# Altium PCB Main_PCB.PcbDoc (part 10 of 13)
Units mil, origin at the board's own origin, x right, y up, seen from the top; angles counter-clockwise.
Board outline 5200 x 6000 mil, 12 copper layers (Top (L1), Int1 (l2), Int2 (L3), Int3 (L4), Int4 (L5), Int5 (L6), Int6 (L7), Int7 (L8), Int8 (L9), Int9 (L10), Int10 (L11), Bot (L12)), stack 94.81 mil thick; 88 components, 424 nets, 1789 pads, 1684 vias.
Unrouted connection lines stored in the file: 914.
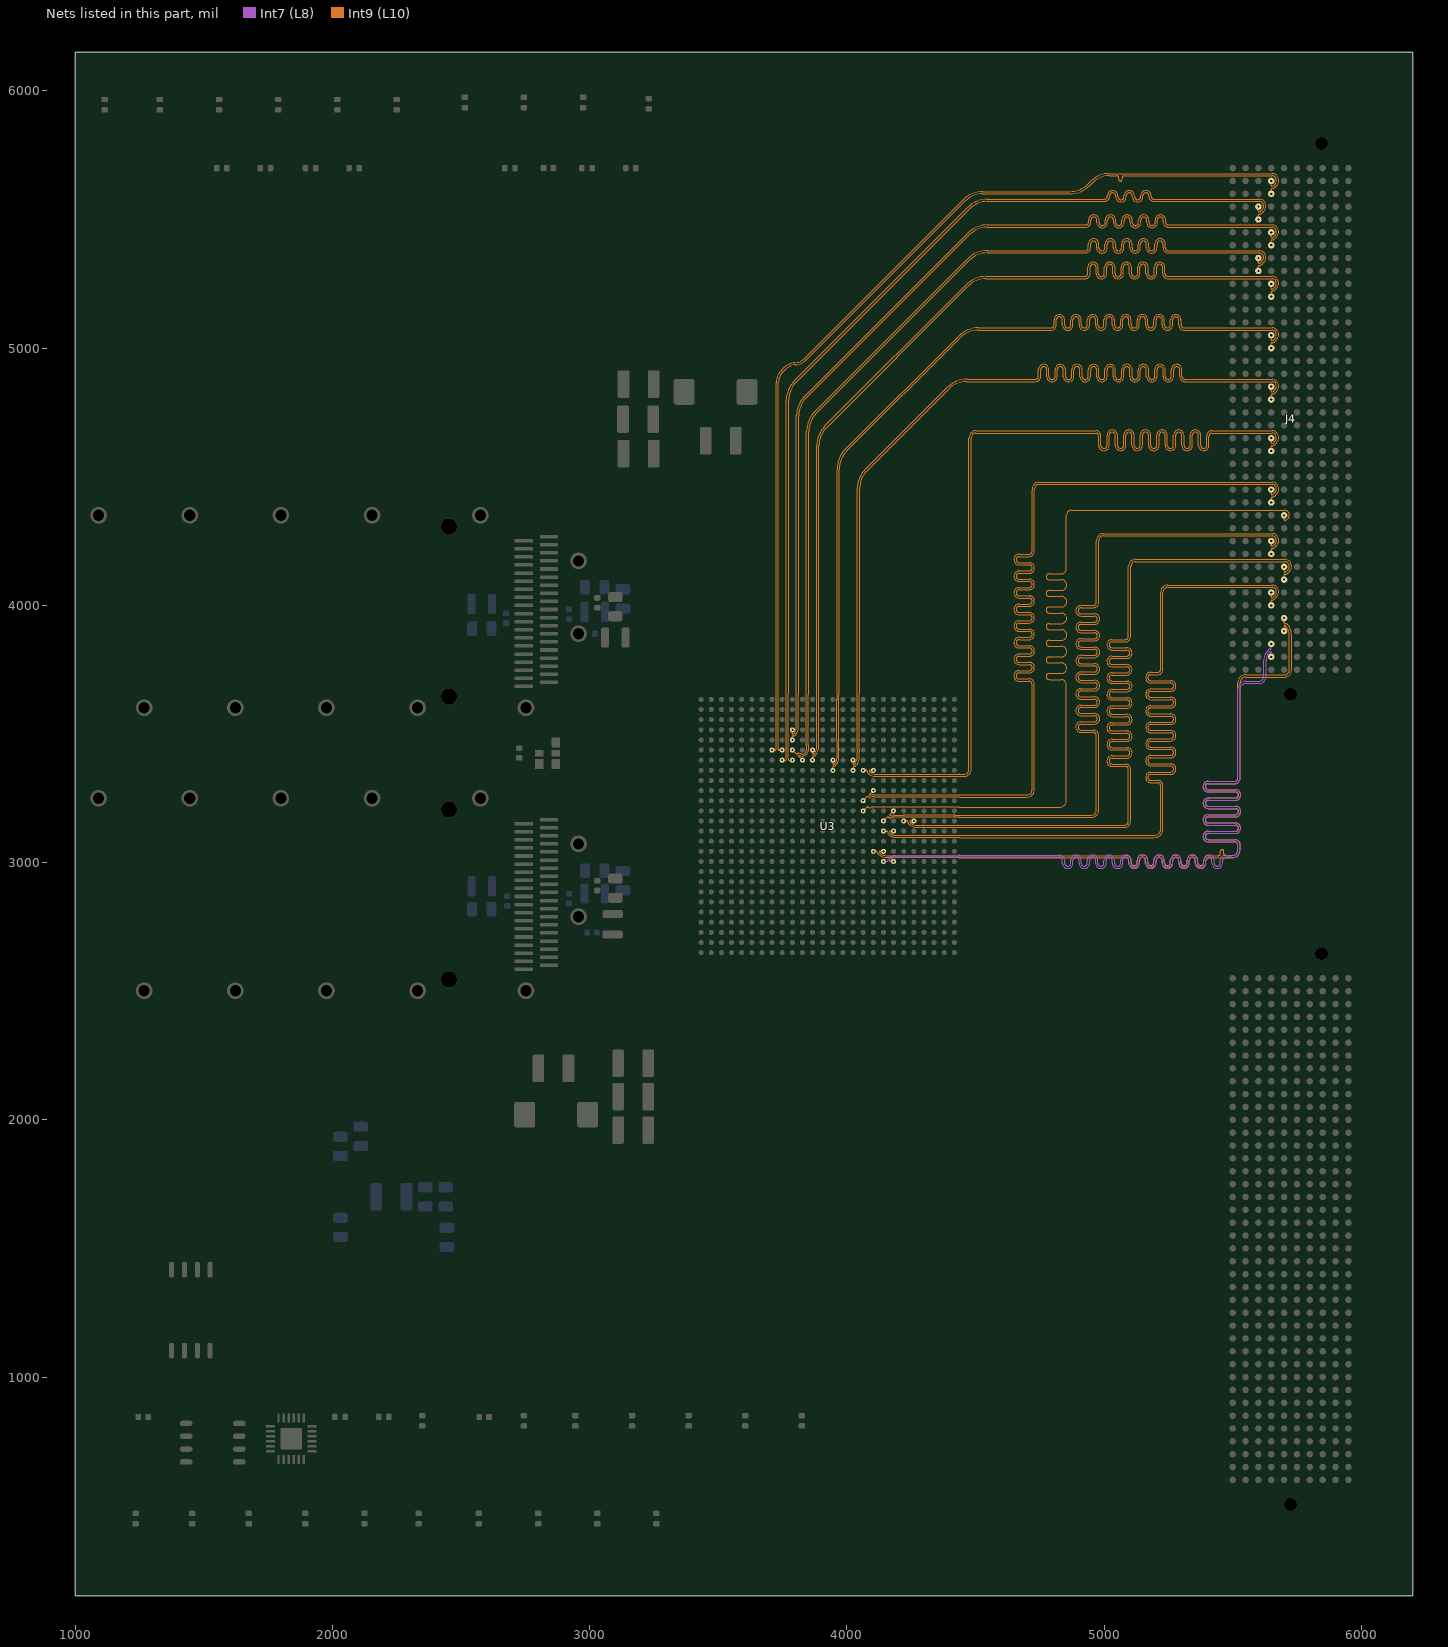
[diagram p20: the nets of this part, all layers, seen from the top]

## Via types
v1: diameter 13.78, hole 7.87, Top (L1) to Bot (L12), tented both sides, 1680 vias
v2: diameter 19.68, hole 7.87, Top (L1) to Bot (L12), tented both sides, 4 vias

## Nets (pads, with @x,y where several pads share a name; then routed paths per layer and width w, separated by ;. In a path a pad name is that pad's centre, name@x,y a point inside that pad or via, vN(x,y) a via of type N, cw(c..) or ccw(c..) an arc to the next point about the centre after c; other vN are vias at no path point) (continued)
HPCC_B_41_P: J4.F28 U3.M17 | length 3789.6
  Int9 (L10) w3.5: v1(4063.78,3201.18) 4078.34,3215.74 cw(c4080.81,3213.26) 4080.81,3216.76 cw(c4080.81,3213.26) 4083.29,3215.74 ; 4083.31,3215.72 ccw(c4091.03,3223.44) 4091.03,3212.52 4091.77,3212.84 ccw(c4090.38,3216.05) 4092.09,3212.99 4095.13,3214.67 ; 4095.15,3214.69 4095.56,3214.91 cw(c4103.15,3201.18) 4103.15,3216.87 4435,3216.87 ccw(c4438.14,3220.01) 4438.14,3215.57 4826.4,3215.57 ccw(c4826.4,3243.6) 4846.22,3223.78 ccw(c4827.93,3242.07) 4853.8,3242.07 4853.8,3685 4853.8,3691.15 ccw(c4833.25,3691.15) 4833.25,3711.7 4786.57,3711.7 cw(c4786.57,3723.45) 4786.57,3735.2 4834.52,3735.2 ccw(c4834.52,3755.75) 4834.52,3776.3 4786.57,3776.3 cw(c4786.57,3788.05) 4786.57,3799.8 4834.52,3799.8 ccw(c4834.52,3820.35) 4834.52,3840.9 4786.57,3840.9 cw(c4786.57,3852.65) 4786.57,3864.4 4834.52,3864.4 ccw(c4834.52,3884.95) 4834.52,3905.5 4786.57,3905.5 cw(c4786.57,3917.25) 4786.57,3929 4834.52,3929 ccw(c4834.52,3949.55) 4834.52,3970.1 4786.57,3970.1 cw(c4786.57,3981.85) 4786.57,3993.6 4834.52,3993.6 ccw(c4834.52,4014.15) 4834.52,4034.7 4786.57,4034.7 cw(c4786.57,4046.45) 4786.57,4058.2 4834.52,4058.2 ccw(c4834.52,4078.75) 4834.52,4099.3 4786.57,4099.3 cw(c4786.57,4111.05) 4786.57,4122.8 4833.25,4122.8 ccw(c4833.25,4143.35) 4853.8,4143.35 4853.8,4169 4853.8,4350.03 cw(c4874.97,4350.03) 4860,4365 cw(c4872.07,4352.93) 4872.07,4370 5702.93,4370 cw(c5702.93,4352.93) 5715,4365 cw(c5702.93,4352.93) 5720,4352.93 5720,4350 cw(c5704.66,4350) 5715.51,4339.15 5707.34,4330.99 cw(c5703.5,4334.84) 5703.5,4329.4 cw(c5703.5,4332.9) 5701.03,4330.43 cw(c5703.5,4332.9) 5700,4332.9 v1(5700,4350)
HPCC_B_42_N: J4.F33 U3.N22 | length 3800.1
  Int9 (L10) w3.5: v1(4260.63,3161.81) 4248.19,3161.81 ccw(c4248.19,3158.31) 4245.72,3160.79 ccw(c4248.19,3158.31) 4244.7,3158.31 ccw(c4248.19,3158.31) 4245.72,3155.84 ccw(c4271.88,3182) 4271.88,3145 4294.27,3145 ccw(c4294.24,3148.5) 4295.02,3145.09 cw(c4300,3122.44) 4300,3145.63 4418.01,3145.63 5079.44,3145.63 ccw(c5079.44,3160.56) 5090,3150 ccw(c5077.93,3162.07) 5095,3162.07 5095,3356 5095,3362.15 ccw(c5083.25,3362.15) 5083.25,3373.9 5031.56,3373.9 cw(c5031.56,3394.45) 5031.56,3415 5088.61,3415 ccw(c5088.61,3426.75) 5088.61,3438.5 5031.56,3438.5 cw(c5031.56,3459.05) 5031.56,3479.6 5088.61,3479.6 ccw(c5088.61,3491.35) 5088.61,3503.1 5031.56,3503.1 cw(c5031.56,3523.65) 5031.56,3544.2 5088.61,3544.2 ccw(c5088.61,3555.95) 5088.61,3567.7 5031.56,3567.7 cw(c5031.56,3588.25) 5031.56,3608.8 5088.61,3608.8 ccw(c5088.61,3620.55) 5088.61,3632.3 5031.56,3632.3 cw(c5031.56,3652.85) 5031.56,3673.4 5088.61,3673.4 ccw(c5088.61,3685.15) 5088.61,3696.9 5031.56,3696.9 cw(c5031.56,3717.45) 5031.56,3738 5088.61,3738 ccw(c5088.61,3749.75) 5088.61,3761.5 5031.56,3761.5 cw(c5031.56,3782.05) 5031.56,3802.6 5088.61,3802.6 ccw(c5088.61,3814.35) 5088.61,3826.1 5031.56,3826.1 cw(c5031.56,3846.65) 5031.56,3867.2 5083.25,3867.2 ccw(c5083.25,3878.95) 5095,3878.95 5095,3903 5095,4150.03 cw(c5124.97,4150.03) 5103.78,4171.22 cw(c5122.07,4152.93) 5122.07,4178.8 5702.93,4178.8 cw(c5702.93,4152.93) 5721.22,4171.22 cw(c5702.93,4152.93) 5728.8,4152.93 5728.8,4150 cw(c5704.66,4150) 5721.73,4132.93 5713.56,4124.76 cw(c5703.5,4134.84) 5703.5,4120.6 ccw(c5703.5,4117.1) 5701.03,4119.57 ccw(c5703.5,4117.1) 5700,4117.1 v1(5700,4100)
HPCC_B_42_P: J4.F32 U3.N21 | length 3784.6
  Int9 (L10) w3.5: v1(4221.26,3161.81) 4233.69,3161.81 cw(c4233.69,3158.31) 4236.17,3160.79 cw(c4233.69,3158.31) 4237.19,3158.31 4237.19,3158.25 ccw(c4248.04,3158.25) 4240.37,3150.58 4240.47,3150.48 ccw(c4271.81,3181.82) 4271.81,3137.5 ; 4271.85,3137.5 4294.3,3137.5 ccw(c4294.24,3148.5) 4296.65,3137.77 cw(c4300,3122.44) 4300,3138.13 4418.03,3138.13 4435,3138.13 ccw(c4438.14,3141.27) 4438.14,3136.83 5079.44,3136.83 ccw(c5079.44,3160.56) 5096.22,3143.78 ccw(c5077.93,3162.07) 5103.8,3162.07 5103.8,3356 5103.8,3362.15 ccw(c5083.25,3362.15) 5083.25,3382.7 5031.56,3382.7 cw(c5031.56,3394.45) 5031.56,3406.2 5088.61,3406.2 ccw(c5088.61,3426.75) 5088.61,3447.3 5031.56,3447.3 cw(c5031.56,3459.05) 5031.56,3470.8 5088.61,3470.8 ccw(c5088.61,3491.35) 5088.61,3511.9 5031.56,3511.9 cw(c5031.56,3523.65) 5031.56,3535.4 5088.61,3535.4 ccw(c5088.61,3555.95) 5088.61,3576.5 5031.56,3576.5 cw(c5031.56,3588.25) 5031.56,3600 5088.61,3600 ccw(c5088.61,3620.55) 5088.61,3641.1 5031.56,3641.1 cw(c5031.56,3652.85) 5031.56,3664.6 5088.61,3664.6 ccw(c5088.61,3685.15) 5088.61,3705.7 5031.56,3705.7 cw(c5031.56,3717.45) 5031.56,3729.2 5088.61,3729.2 ccw(c5088.61,3749.75) 5088.61,3770.3 5031.56,3770.3 cw(c5031.56,3782.05) 5031.56,3793.8 5088.61,3793.8 ccw(c5088.61,3814.35) 5088.61,3834.9 5031.56,3834.9 cw(c5031.56,3846.65) 5031.56,3858.4 5083.25,3858.4 ccw(c5083.25,3878.95) 5103.8,3878.95 5103.8,3903 5103.8,4150.03 cw(c5124.97,4150.03) 5110,4165 cw(c5122.07,4152.93) 5122.07,4170 5702.93,4170 cw(c5702.93,4152.93) 5715,4165 cw(c5702.93,4152.93) 5720,4152.93 5720,4150 cw(c5704.66,4150) 5715.51,4139.15 5707.34,4130.99 cw(c5703.5,4134.84) 5703.5,4129.4 cw(c5703.5,4132.9) 5701.03,4130.43 cw(c5703.5,4132.9) 5700,4132.9 v1(5700,4150)
HPCC_B_43_N: J4.F37 U3.T19 | length 3800.2
  Int9 (L10) w3.5: v1(4142.52,3043.7) 4130.08,3043.7 ccw(c4130.08,3040.2) 4127.61,3042.68 ccw(c4130.08,3040.2) 4126.58,3040.2 ccw(c4130.08,3040.2) 4127.61,3037.73 ccw(c4152.3,3062.41) 4152.3,3027.5 4180.94,3027.5 ccw(c4180.92,3031) 4181.03,3027.5 cw(c4181.89,3004.33) 4181.89,3027.52 4378.74,3027.52 cw(c4378.74,3004.33) 4378.81,3027.52 4418.04,3027.52 cw(c4418.11,3004.33) 4418.12,3027.52 4429.99,3027.5 5046.56,3027.5 5085.01,3027.5 cw(c5085.01,3006.95) 5105.56,3006.95 5105.56,3000.35 ccw(c5117.31,3000.35) 5129.06,3000.35 5129.06,3008.93 cw(c5149.61,3008.93) 5170.16,3008.93 5170.16,3000.35 ccw(c5181.91,3000.35) 5193.66,3000.35 5193.66,3008.93 cw(c5214.21,3008.93) 5234.76,3008.93 5234.76,3000.35 ccw(c5246.51,3000.35) 5258.26,3000.35 5258.26,3008.93 cw(c5278.81,3008.93) 5299.36,3008.93 5299.36,3000.35 ccw(c5311.11,3000.35) 5322.86,3000.35 5322.86,3008.93 cw(c5343.41,3008.93) 5363.96,3008.93 5363.96,3000.35 ccw(c5375.71,3000.35) 5387.46,3000.35 5387.46,3006.95 cw(c5408.01,3006.95) 5408.01,3027.5 5431.61,3027.5 5444,3027.5 5445.75,3027.5 ccw(c5445.75,3034.25) 5452.5,3034.25 5452.5,3043.72 cw(c5459.25,3043.72) 5466,3043.72 5466,3034.25 ccw(c5472.75,3034.25) 5472.75,3027.5 5481.77,3027.5 5496.89,3027.5 ccw(c5496.89,3053.11) 5515,3035 ccw(c5502.93,3047.07) 5520,3047.07 5520,3063 5520,3069.15 ccw(c5508.25,3069.15) 5508.25,3080.9 5404.98,3080.9 cw(c5404.98,3101.45) 5404.98,3122 5511.31,3122 ccw(c5511.31,3133.75) 5511.31,3145.5 5404.98,3145.5 cw(c5404.98,3166.05) 5404.98,3186.6 5511.31,3186.6 ccw(c5511.31,3198.35) 5511.31,3210.1 5404.98,3210.1 cw(c5404.98,3230.65) 5404.98,3251.2 5511.31,3251.2 ccw(c5511.31,3262.95) 5511.31,3274.7 5404.98,3274.7 cw(c5404.98,3295.25) 5404.98,3315.8 5508.25,3315.8 ccw(c5508.25,3327.55) 5520,3327.55 5520,3360.95 5520,3700.03 cw(c5549.97,3700.03) 5528.78,3721.22 cw(c5549.97,3700.03) 5549.97,3730 5702.93,3730 ccw(c5702.93,3747.07) 5715,3735 ccw(c5702.93,3747.07) 5720,3747.07 5720,3885.72 ccw(c5672.12,3885.72) 5705.98,3919.57 ; v1(5700,3900) 5700,3917.1 cw(c5703.5,3917.1) 5701.03,3919.57 cw(c5703.5,3917.1) 5703.5,3920.6 cw(c5703.5,3917.1) 5705.97,3919.57
HPCC_B_43_P: J4.F36 U3.T18 | length 3805.6
  Int9 (L10) w3.5: v1(4103.15,3043.7) 4115.58,3043.7 cw(c4115.58,3040.2) 4118.06,3042.68 cw(c4115.58,3040.2) 4119.08,3040.2 4119.08,3040.14 ccw(c4129.93,3040.14) 4122.26,3032.47 4122.36,3032.37 ccw(c4152.23,3062.24) 4152.23,3020 4180.98,3020 ccw(c4180.92,3031) 4181.32,3020.01 ; 4181.34,3020.01 cw(c4181.89,3004.33) 4181.89,3020.02 4378.74,3020.02 cw(c4378.74,3004.33) 4378.79,3020.02 4418.06,3020.02 cw(c4418.11,3004.33) 4418.12,3020.02 4429.98,3020 4435,3020 ccw(c4438.14,3023.14) 4438.14,3018.7 5046.56,3018.7 5085.01,3018.7 cw(c5085.01,3006.95) 5096.76,3006.95 5096.76,3000.35 ccw(c5117.31,3000.35) 5137.86,3000.35 5137.86,3008.93 cw(c5149.61,3008.93) 5161.36,3008.93 5161.36,3000.35 ccw(c5181.91,3000.35) 5202.46,3000.35 5202.46,3008.93 cw(c5214.21,3008.93) 5225.96,3008.93 5225.96,3000.35 ccw(c5246.51,3000.35) 5267.06,3000.35 5267.06,3008.93 cw(c5278.81,3008.93) 5290.56,3008.93 5290.56,3000.35 ccw(c5311.11,3000.35) 5331.66,3000.35 5331.66,3008.93 cw(c5343.41,3008.93) 5355.16,3008.93 5355.16,3000.35 ccw(c5375.71,3000.35) 5396.26,3000.35 5396.26,3006.95 cw(c5408.01,3006.95) 5408.01,3018.7 5431.61,3018.7 5433,3018.7 5491,3018.7 5496.89,3018.7 ccw(c5496.89,3053.11) 5521.22,3028.78 ccw(c5502.93,3047.07) 5528.8,3047.07 5528.8,3063 5528.8,3069.15 ccw(c5508.25,3069.15) 5508.25,3089.7 5404.98,3089.7 cw(c5404.98,3101.45) 5404.98,3113.2 5511.31,3113.2 ccw(c5511.31,3133.75) 5511.31,3154.3 5404.98,3154.3 cw(c5404.98,3166.05) 5404.98,3177.8 5511.31,3177.8 ccw(c5511.31,3198.35) 5511.31,3218.9 5404.98,3218.9 cw(c5404.98,3230.65) 5404.98,3242.4 5511.31,3242.4 ccw(c5511.31,3262.95) 5511.31,3283.5 5404.98,3283.5 cw(c5404.98,3295.25) 5404.98,3307 5508.25,3307 ccw(c5508.25,3327.55) 5528.8,3327.55 5528.8,3360.95 5528.8,3700.03 cw(c5549.97,3700.03) 5535,3715 cw(c5549.97,3700.03) 5549.97,3721.2 5702.93,3721.2 ccw(c5702.93,3747.07) 5721.22,3728.78 ccw(c5702.93,3747.07) 5728.8,3747.07 5728.8,3885.71 ccw(c5672.11,3885.71) 5712.2,3925.8 ccw(c5703.5,3917.1) 5703.5,3929.4 cw(c5703.5,3932.9) 5701.03,3930.43 cw(c5703.5,3932.9) 5700,3932.9 v1(5700,3950)
HPCC_B_44_N: J4.G3 U3.F8 | length 3810.8
  Int9 (L10) w3.5: v1(3709.45,3437.4) 3721.88,3437.4 ccw(c3721.88,3440.9) 3724.36,3438.43 ccw(c3721.88,3440.9) 3725.38,3440.9 3725.38,4865.99 cw(c3790.18,4865.99) 3744.36,4911.81 3759.64,4927.08 cw(c3800,4886.72) 3800,4943.8 ccw(c3800,4989.19) 3832.09,4957.09 4451.93,5576.93 cw(c4528.87,5500) 4528.87,5608.8 4867.38,5608.8 ccw(c4867.38,5708.8) 4938.09,5638.09 4950,5650 cw(c5019.53,5580.47) 5019.53,5678.8 5652.93,5678.8 cw(c5652.93,5652.93) 5671.22,5671.22 cw(c5652.93,5652.93) 5678.8,5652.93 5678.8,5650 cw(c5651.65,5650) 5670.86,5630.81 5665.67,5625.62 cw(c5657,5634.35) 5661.71,5622.99 5658.21,5621.54 cw(c5653.5,5632.9) 5653.5,5620.6 ccw(c5653.5,5617.1) 5651.03,5619.57 ccw(c5653.5,5617.1) 5650,5617.1 v1(5650,5600)
HPCC_B_44_P: J4.G2 U3.F9 | length 3799.9
  Int9 (L10) w3.5: v1(3748.82,3437.4) 3736.38,3437.4 cw(c3736.38,3440.9) 3733.91,3438.43 cw(c3736.38,3440.9) 3732.88,3440.9 3732.88,3655 ccw(c3729.75,3658.14) 3734.18,3658.14 3734.18,4865.99 cw(c3790.18,4865.99) 3750.59,4905.59 3765.86,4920.86 cw(c3800,4886.72) 3800,4935 ccw(c3800,4989.19) 3838.32,4950.87 4458.16,5570.71 cw(c4528.87,5500) 4528.87,5600 4867.38,5600 ccw(c4867.38,5708.8) 4944.31,5631.87 4956.22,5643.78 cw(c5019.53,5580.47) 5019.53,5670 5035,5670 5050.25,5670 cw(c5050.25,5663.25) 5057,5663.25 5057,5655.86 ccw(c5063.75,5655.86) 5070.5,5655.86 5070.5,5663.25 cw(c5077.25,5663.25) 5077.25,5670 5092,5670 5652.93,5670 cw(c5652.93,5652.93) 5665,5665 cw(c5652.93,5652.93) 5670,5652.93 5670,5650 cw(c5651.65,5650) 5664.63,5637.03 5659.46,5631.86 cw(c5657,5634.35) 5658.34,5631.12 5654.84,5629.67 cw(c5653.5,5632.9) 5653.5,5629.4 cw(c5653.5,5632.9) 5651.03,5630.43 cw(c5653.5,5632.9) 5650,5632.9 v1(5650,5650)
HPCC_B_45_N: J4.G7 U3.D10 | length 3812.5
  Int9 (L10) w3.5: v1(3788.19,3516.14) 3788.19,3503.71 ccw(c3791.69,3503.71) 3789.21,3501.23 ccw(c3791.69,3503.71) 3791.69,3500.21 ccw(c3791.69,3503.71) 3794.16,3501.23 ccw(c3770.42,3524.98) 3804,3524.98 3804,4736.38 cw(c3912.8,4736.38) 3835.87,4813.31 4469.49,5446.93 cw(c4546.42,5370) 4546.42,5478.8 4922,5478.8 4928.15,5478.8 ccw(c4928.15,5490.55) 4939.9,5490.55 4939.9,5497.47 cw(c4960.45,5497.47) 4981,5497.47 4981,5488.16 ccw(c4992.75,5488.16) 5004.5,5488.16 5004.5,5497.47 cw(c5025.05,5497.47) 5045.6,5497.47 5045.6,5488.16 ccw(c5057.35,5488.16) 5069.1,5488.16 5069.1,5497.47 cw(c5089.65,5497.47) 5110.2,5497.47 5110.2,5488.16 ccw(c5121.95,5488.16) 5133.7,5488.16 5133.7,5497.47 cw(c5154.25,5497.47) 5174.8,5497.47 5174.8,5488.16 ccw(c5186.55,5488.16) 5198.3,5488.16 5198.3,5497.47 cw(c5218.85,5497.47) 5239.4,5497.47 5239.4,5490.55 ccw(c5251.15,5490.55) 5251.15,5478.8 5287,5478.8 5652.93,5478.8 cw(c5652.93,5452.93) 5671.22,5471.22 cw(c5652.93,5452.93) 5678.8,5452.93 5678.8,5450 cw(c5654.66,5450) 5671.73,5432.93 5663.56,5424.76 cw(c5653.5,5434.84) 5653.5,5420.6 ccw(c5653.5,5417.1) 5651.03,5419.57 ccw(c5653.5,5417.1) 5650,5417.1 v1(5650,5400)
HPCC_B_45_P: J4.G6 U3.E10 | length 3783.2
  Int9 (L10) w3.5: v1(3788.19,3476.77) 3788.19,3489.21 cw(c3791.69,3489.21) 3789.21,3491.68 cw(c3791.69,3489.21) 3791.69,3492.71 ; 3791.73,3492.71 ccw(c3791.73,3503.61) 3799.44,3495.9 3799.52,3495.98 ccw(c3770.6,3524.9) 3811.5,3524.9 3811.5,3655 ccw(c3808.36,3658.14) 3812.8,3658.14 3812.8,4736.38 cw(c3912.8,4736.38) 3842.09,4807.09 4475.71,5440.71 cw(c4546.42,5370) 4546.42,5470 4922,5470 4928.15,5470 ccw(c4928.15,5490.55) 4948.7,5490.55 4948.7,5497.47 cw(c4960.45,5497.47) 4972.2,5497.47 4972.2,5488.16 ccw(c4992.75,5488.16) 5013.3,5488.16 5013.3,5497.47 cw(c5025.05,5497.47) 5036.8,5497.47 5036.8,5488.16 ccw(c5057.35,5488.16) 5077.9,5488.16 5077.9,5497.47 cw(c5089.65,5497.47) 5101.4,5497.47 5101.4,5488.16 ccw(c5121.95,5488.16) 5142.5,5488.16 5142.5,5497.47 cw(c5154.25,5497.47) 5166,5497.47 5166,5488.16 ccw(c5186.55,5488.16) 5207.1,5488.16 5207.1,5497.47 cw(c5218.85,5497.47) 5230.6,5497.47 5230.6,5490.55 ccw(c5251.15,5490.55) 5251.15,5470 5287,5470 5652.93,5470 cw(c5652.93,5452.93) 5665,5465 cw(c5652.93,5452.93) 5670,5452.93 5670,5450 cw(c5654.66,5450) 5665.51,5439.15 5657.34,5430.99 cw(c5653.5,5434.84) 5653.5,5429.4 cw(c5653.5,5432.9) 5651.03,5430.43 cw(c5653.5,5432.9) 5650,5432.9 v1(5650,5450)
HPCC_B_46_N: J4.G11 U3.F12 | length 3812
  Int9 (L10) w3.5: v1(3866.93,3437.4) 3866.93,3424.97 ccw(c3870.43,3424.97) 3867.95,3422.49 ccw(c3870.43,3424.97) 3870.43,3421.47 ccw(c3870.43,3424.97) 3872.9,3422.49 ccw(c3848.53,3446.87) 3883,3446.87 3883,4620.38 cw(c3991.8,4620.38) 3914.87,4697.31 4464.49,5246.93 cw(c4541.42,5170) 4541.42,5278.8 4919,5278.8 4925.15,5278.8 ccw(c4925.15,5290.55) 4936.9,5290.55 4936.9,5313.72 cw(c4957.45,5313.72) 4978,5313.72 4978,5289.66 ccw(c4989.75,5289.66) 5001.5,5289.66 5001.5,5313.72 cw(c5022.05,5313.72) 5042.6,5313.72 5042.6,5289.66 ccw(c5054.35,5289.66) 5066.1,5289.66 5066.1,5313.72 cw(c5086.65,5313.72) 5107.2,5313.72 5107.2,5289.66 ccw(c5118.95,5289.66) 5130.7,5289.66 5130.7,5313.72 cw(c5151.25,5313.72) 5171.8,5313.72 5171.8,5289.66 ccw(c5183.55,5289.66) 5195.3,5289.66 5195.3,5313.72 cw(c5215.85,5313.72) 5236.4,5313.72 5236.4,5290.55 ccw(c5248.15,5290.55) 5248.15,5278.8 5288,5278.8 5652.93,5278.8 cw(c5652.93,5252.93) 5671.22,5271.22 cw(c5652.93,5252.93) 5678.8,5252.93 5678.8,5250 cw(c5654.66,5250) 5671.73,5232.93 5663.56,5224.76 cw(c5653.5,5234.84) 5653.5,5220.6 ccw(c5653.5,5217.1) 5651.03,5219.57 ccw(c5653.5,5217.1) 5650,5217.1 v1(5650,5200)
HPCC_B_46_P: J4.G10 U3.G12 | length 3782.7
  Int9 (L10) w3.5: v1(3866.93,3398.03) 3866.93,3410.47 cw(c3870.43,3410.47) 3867.95,3412.94 cw(c3870.43,3410.47) 3870.43,3413.97 ccw(c3870.47,3424.87) 3878.18,3417.16 3878.26,3417.24 ccw(c3848.72,3446.79) 3890.5,3446.79 3890.5,3655 ccw(c3887.36,3658.14) 3891.8,3658.14 3891.8,4620.38 cw(c3991.8,4620.38) 3921.09,4691.09 4470.71,5240.71 cw(c4541.42,5170) 4541.42,5270 4919,5270 4925.15,5270 ccw(c4925.15,5290.55) 4945.7,5290.55 4945.7,5313.72 cw(c4957.45,5313.72) 4969.2,5313.72 4969.2,5289.66 ccw(c4989.75,5289.66) 5010.3,5289.66 5010.3,5313.72 cw(c5022.05,5313.72) 5033.8,5313.72 5033.8,5289.66 ccw(c5054.35,5289.66) 5074.9,5289.66 5074.9,5313.72 cw(c5086.65,5313.72) 5098.4,5313.72 5098.4,5289.66 ccw(c5118.95,5289.66) 5139.5,5289.66 5139.5,5313.72 cw(c5151.25,5313.72) 5163,5313.72 5163,5289.66 ccw(c5183.55,5289.66) 5204.1,5289.66 5204.1,5313.72 cw(c5215.85,5313.72) 5227.6,5313.72 5227.6,5290.55 ccw(c5248.15,5290.55) 5248.15,5270 5288,5270 5652.93,5270 cw(c5652.93,5252.93) 5665,5265 cw(c5652.93,5252.93) 5670,5252.93 5670,5250 cw(c5654.66,5250) 5665.51,5239.15 5657.34,5230.99 cw(c5653.5,5234.84) 5653.5,5229.4 cw(c5653.5,5232.9) 5651.03,5230.43 cw(c5653.5,5232.9) 5650,5232.9 v1(5650,5250)
HPCC_B_47_N: J4.G15 U3.G14 | length 3820.2
  Int9 (L10) w3.5: v1(3945.67,3398.03) 3945.67,3385.6 ccw(c3949.17,3385.6) 3946.69,3383.12 ccw(c3949.17,3385.6) 3949.17,3382.1 ccw(c3949.17,3385.6) 3951.64,3383.12 ccw(c3926.64,3408.12) 3962,3408.12 3962,3434.63 ccw(c3958.5,3434.6) 3961.98,3434.94 cw(c3985.04,3437.4) 3961.98,3439.86 ; 3961.96,3439.88 3961.97,3439.99 ; 3961.97,3440.05 3961.96,3443.13 3961.96,3474.37 ccw(c3958.46,3474.34) 3961.95,3474.64 cw(c3985.04,3476.77) 3961.85,3476.77 3961.85,3634.25 cw(c3985.04,3634.25) 3961.95,3636.39 ccw(c3958.46,3636.68) 3961.96,3636.66 3961.96,4529.34 cw(c4070.76,4529.34) 3993.83,4606.28 4434.49,5046.93 cw(c4511.42,4970) 4511.42,5078.8 4788,5078.8 4794.15,5078.8 ccw(c4794.15,5090.55) 4805.9,5090.55 4805.9,5109.73 cw(c4826.45,5109.73) 4847,5109.73 4847,5090.18 ccw(c4858.75,5090.18) 4870.5,5090.18 4870.5,5109.73 cw(c4891.05,5109.73) 4911.6,5109.73 4911.6,5090.18 ccw(c4923.35,5090.18) 4935.1,5090.18 4935.1,5109.73 cw(c4955.65,5109.73) 4976.2,5109.73 4976.2,5090.18 ccw(c4987.95,5090.18) 4999.7,5090.18 4999.7,5109.73 cw(c5020.25,5109.73) 5040.8,5109.73 5040.8,5090.18 ccw(c5052.55,5090.18) 5064.3,5090.18 5064.3,5109.73 cw(c5084.85,5109.73) 5105.4,5109.73 5105.4,5090.18 ccw(c5117.15,5090.18) 5128.9,5090.18 5128.9,5109.73 cw(c5149.45,5109.73) 5170,5109.73 5170,5090.18 ccw(c5181.75,5090.18) 5193.5,5090.18 5193.5,5109.73 cw(c5214.05,5109.73) 5234.6,5109.73 5234.6,5090.18 ccw(c5246.35,5090.18) 5258.1,5090.18 5258.1,5109.73 cw(c5278.65,5109.73) 5299.2,5109.73 5299.2,5090.55 ccw(c5310.95,5090.55) 5310.95,5078.8 5354,5078.8 5652.93,5078.8 cw(c5652.93,5052.93) 5671.22,5071.22 cw(c5652.93,5052.93) 5678.8,5052.93 5678.8,5050 cw(c5654.66,5050) 5671.73,5032.93 5663.56,5024.76 cw(c5653.5,5034.84) 5653.5,5020.6 ccw(c5653.5,5017.1) 5651.03,5019.57 ccw(c5653.5,5017.1) 5650,5017.1 v1(5650,5000)
HPCC_B_47_P: J4.G14 U3.H14 | length 3790.9
  Int9 (L10) w3.5: v1(3945.67,3358.66) 3945.67,3371.1 cw(c3949.17,3371.1) 3946.69,3373.57 cw(c3949.17,3371.1) 3949.17,3374.6 ; 3949.21,3374.6 ccw(c3949.21,3385.5) 3956.92,3377.79 3956.96,3377.83 ccw(c3926.69,3408.1) 3969.5,3408.1 3969.5,3434.64 ccw(c3958.5,3434.6) 3969.44,3435.73 cw(c3985.04,3437.4) 3969.44,3439.09 3969.45,3439.15 ccw(c3961.98,3439.86) 3969.47,3440.36 3969.46,3443.14 3969.46,3474.38 ccw(c3958.46,3474.34) 3969.42,3475.32 cw(c3985.04,3476.77) 3969.35,3476.77 3969.35,3634.25 cw(c3985.04,3634.25) 3969.42,3635.71 ccw(c3958.46,3636.68) 3969.46,3636.64 3969.46,3655 ccw(c3966.33,3658.14) 3970.76,3658.14 3970.76,4529.34 cw(c4070.76,4529.34) 4000.05,4600.05 4440.71,5040.71 cw(c4511.42,4970) 4511.42,5070 4788,5070 4794.15,5070 ccw(c4794.15,5090.55) 4814.7,5090.55 4814.7,5109.73 cw(c4826.45,5109.73) 4838.2,5109.73 4838.2,5090.18 ccw(c4858.75,5090.18) 4879.3,5090.18 4879.3,5109.73 cw(c4891.05,5109.73) 4902.8,5109.73 4902.8,5090.18 ccw(c4923.35,5090.18) 4943.9,5090.18 4943.9,5109.73 cw(c4955.65,5109.73) 4967.4,5109.73 4967.4,5090.18 ccw(c4987.95,5090.18) 5008.5,5090.18 5008.5,5109.73 cw(c5020.25,5109.73) 5032,5109.73 5032,5090.18 ccw(c5052.55,5090.18) 5073.1,5090.18 5073.1,5109.73 cw(c5084.85,5109.73) 5096.6,5109.73 5096.6,5090.18 ccw(c5117.15,5090.18) 5137.7,5090.18 5137.7,5109.73 cw(c5149.45,5109.73) 5161.2,5109.73 5161.2,5090.18 ccw(c5181.75,5090.18) 5202.3,5090.18 5202.3,5109.73 cw(c5214.05,5109.73) 5225.8,5109.73 5225.8,5090.18 ccw(c5246.35,5090.18) 5266.9,5090.18 5266.9,5109.73 cw(c5278.65,5109.73) 5290.4,5109.73 5290.4,5090.55 ccw(c5310.95,5090.55) 5310.95,5070 5354,5070 5652.93,5070 cw(c5652.93,5052.93) 5665,5065 cw(c5652.93,5052.93) 5670,5052.93 5670,5050 cw(c5654.66,5050) 5665.51,5039.15 5657.34,5030.99 cw(c5653.5,5034.84) 5653.5,5029.4 cw(c5653.5,5032.9) 5651.03,5030.43 cw(c5653.5,5032.9) 5650,5032.9 v1(5650,5050)
HPCC_B_48_N: J4.G19 U3.G16 | length 3813.3
  Int9 (L10) w3.5: v1(4024.41,3398.03) 4024.41,3385.6 ccw(c4027.91,3385.6) 4025.43,3383.12 ccw(c4027.91,3385.6) 4027.91,3382.1 ccw(c4027.91,3385.6) 4030.38,3383.12 ccw(c4004.76,3408.75) 4041,3408.75 4041,3431 4040.65,3435.7 cw(c4063.78,3437.4) 4040.61,3438.26 ; 4040.61,3438.31 4040.61,3441.34 cw(c4051.61,3441.42) 4040.61,3441.42 4040.61,3475.95 ccw(c4037.11,3475.93) 4040.61,3476.01 cw(c4063.78,3476.77) 4040.59,3476.77 4040.59,3634.25 cw(c4063.78,3634.25) 4040.61,3635.01 ccw(c4037.11,3635.1) 4040.61,3635.07 4040.61,4452.98 cw(c4149.41,4452.98) 4072.47,4529.92 4389.49,4846.93 cw(c4466.42,4770) 4466.42,4878.8 4727,4878.8 4733.15,4878.8 ccw(c4733.15,4890.55) 4744.9,4890.55 4744.9,4915.97 cw(c4765.45,4915.97) 4786,4915.97 4786,4889.49 ccw(c4797.75,4889.49) 4809.5,4889.49 4809.5,4915.97 cw(c4830.05,4915.97) 4850.6,4915.97 4850.6,4889.49 ccw(c4862.35,4889.49) 4874.1,4889.49 4874.1,4915.97 cw(c4894.65,4915.97) 4915.2,4915.97 4915.2,4889.49 ccw(c4926.95,4889.49) 4938.7,4889.49 4938.7,4915.97 cw(c4959.25,4915.97) 4979.8,4915.97 4979.8,4889.49 ccw(c4991.55,4889.49) 5003.3,4889.49 5003.3,4915.97 cw(c5023.85,4915.97) 5044.4,4915.97 5044.4,4889.49 ccw(c5056.15,4889.49) 5067.9,4889.49 5067.9,4915.97 cw(c5088.45,4915.97) 5109,4915.97 5109,4889.49 ccw(c5120.75,4889.49) 5132.5,4889.49 5132.5,4915.97 cw(c5153.05,4915.97) 5173.6,4915.97 5173.6,4889.49 ccw(c5185.35,4889.49) 5197.1,4889.49 5197.1,4915.97 cw(c5217.65,4915.97) 5238.2,4915.97 5238.2,4889.49 ccw(c5249.95,4889.49) 5261.7,4889.49 5261.7,4915.97 cw(c5282.25,4915.97) 5302.8,4915.97 5302.8,4890.55 ccw(c5314.55,4890.55) 5314.55,4878.8 5357,4878.8 5652.93,4878.8 cw(c5652.93,4852.93) 5671.22,4871.22 cw(c5652.93,4852.93) 5678.8,4852.93 5678.8,4850 cw(c5654.66,4850) 5671.73,4832.93 5663.56,4824.76 cw(c5653.5,4834.84) 5653.5,4820.6 ccw(c5653.5,4817.1) 5651.03,4819.57 ccw(c5653.5,4817.1) 5650,4817.1 v1(5650,4800)